# Allegro board BeagleBone_Black_RevB3_NO_LOGO.brd
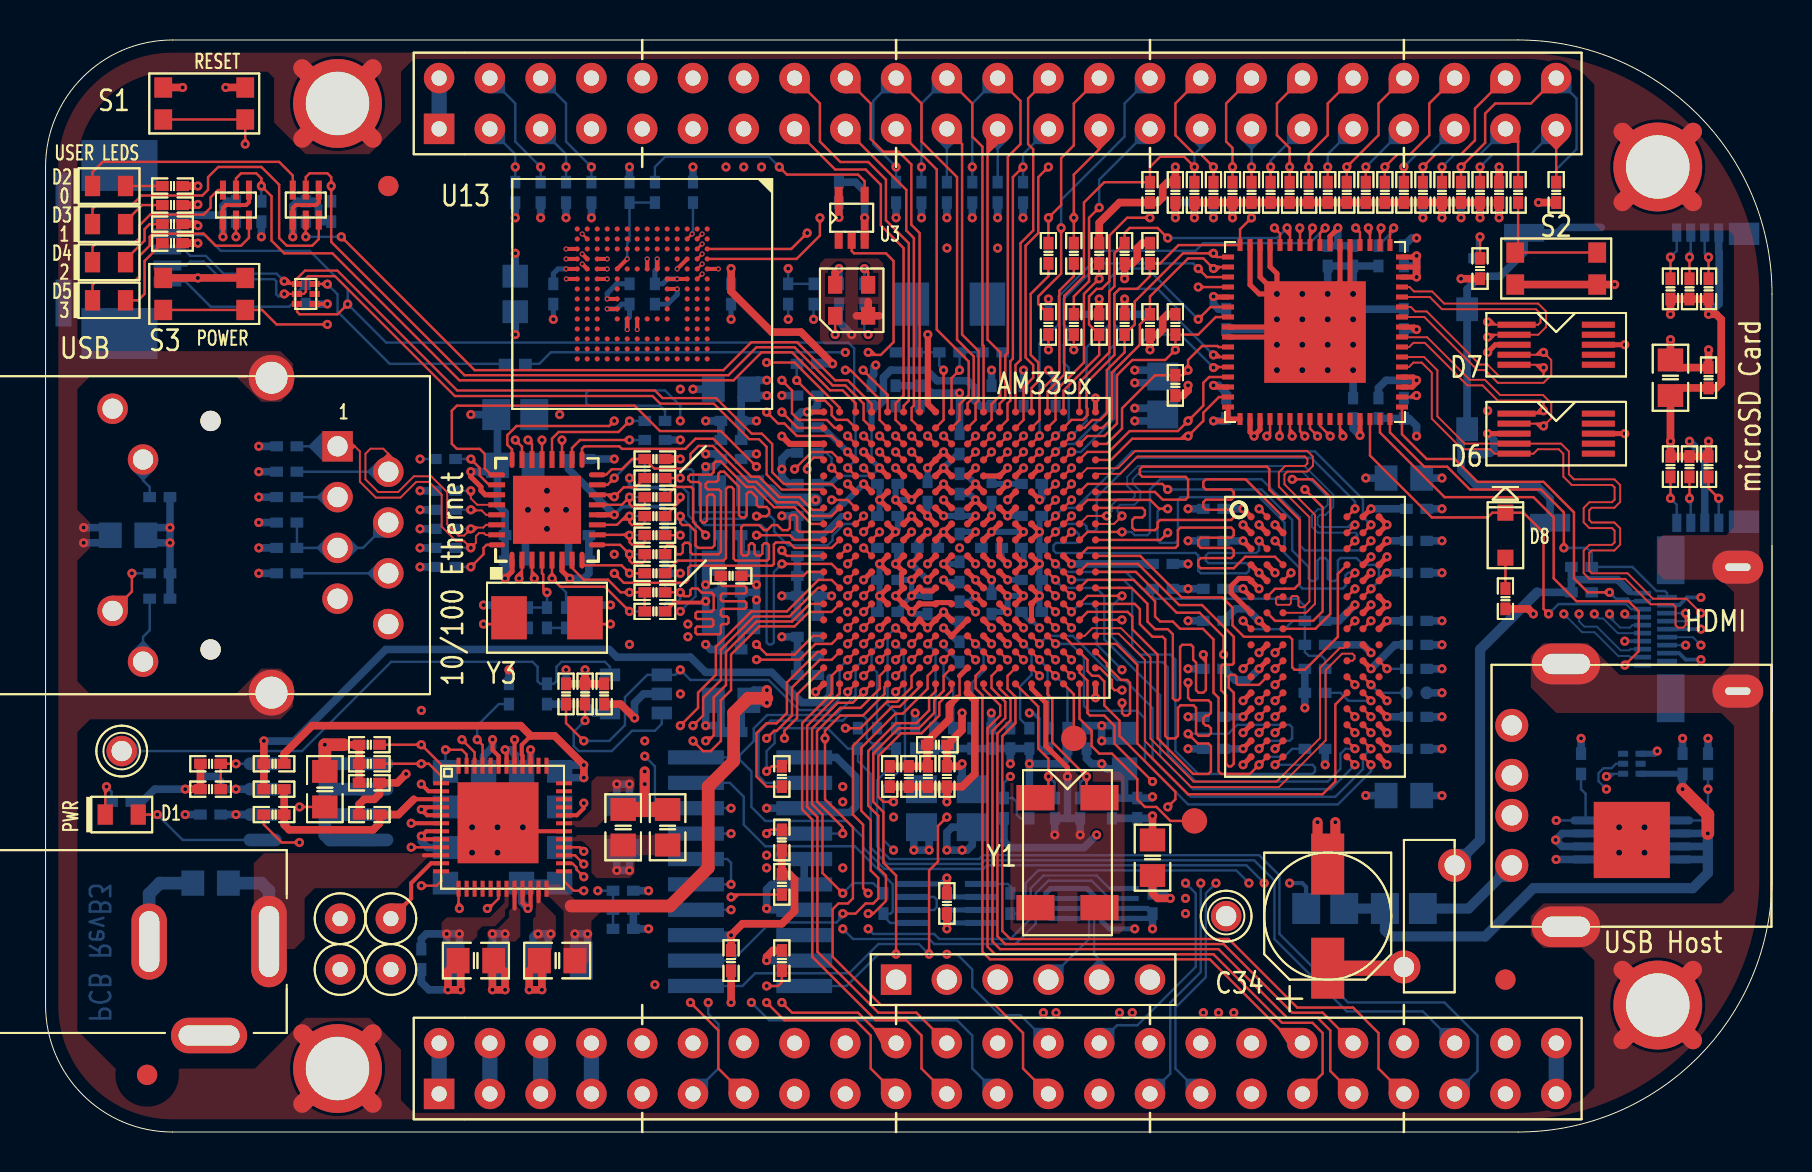
[diagram p0: board, top side]
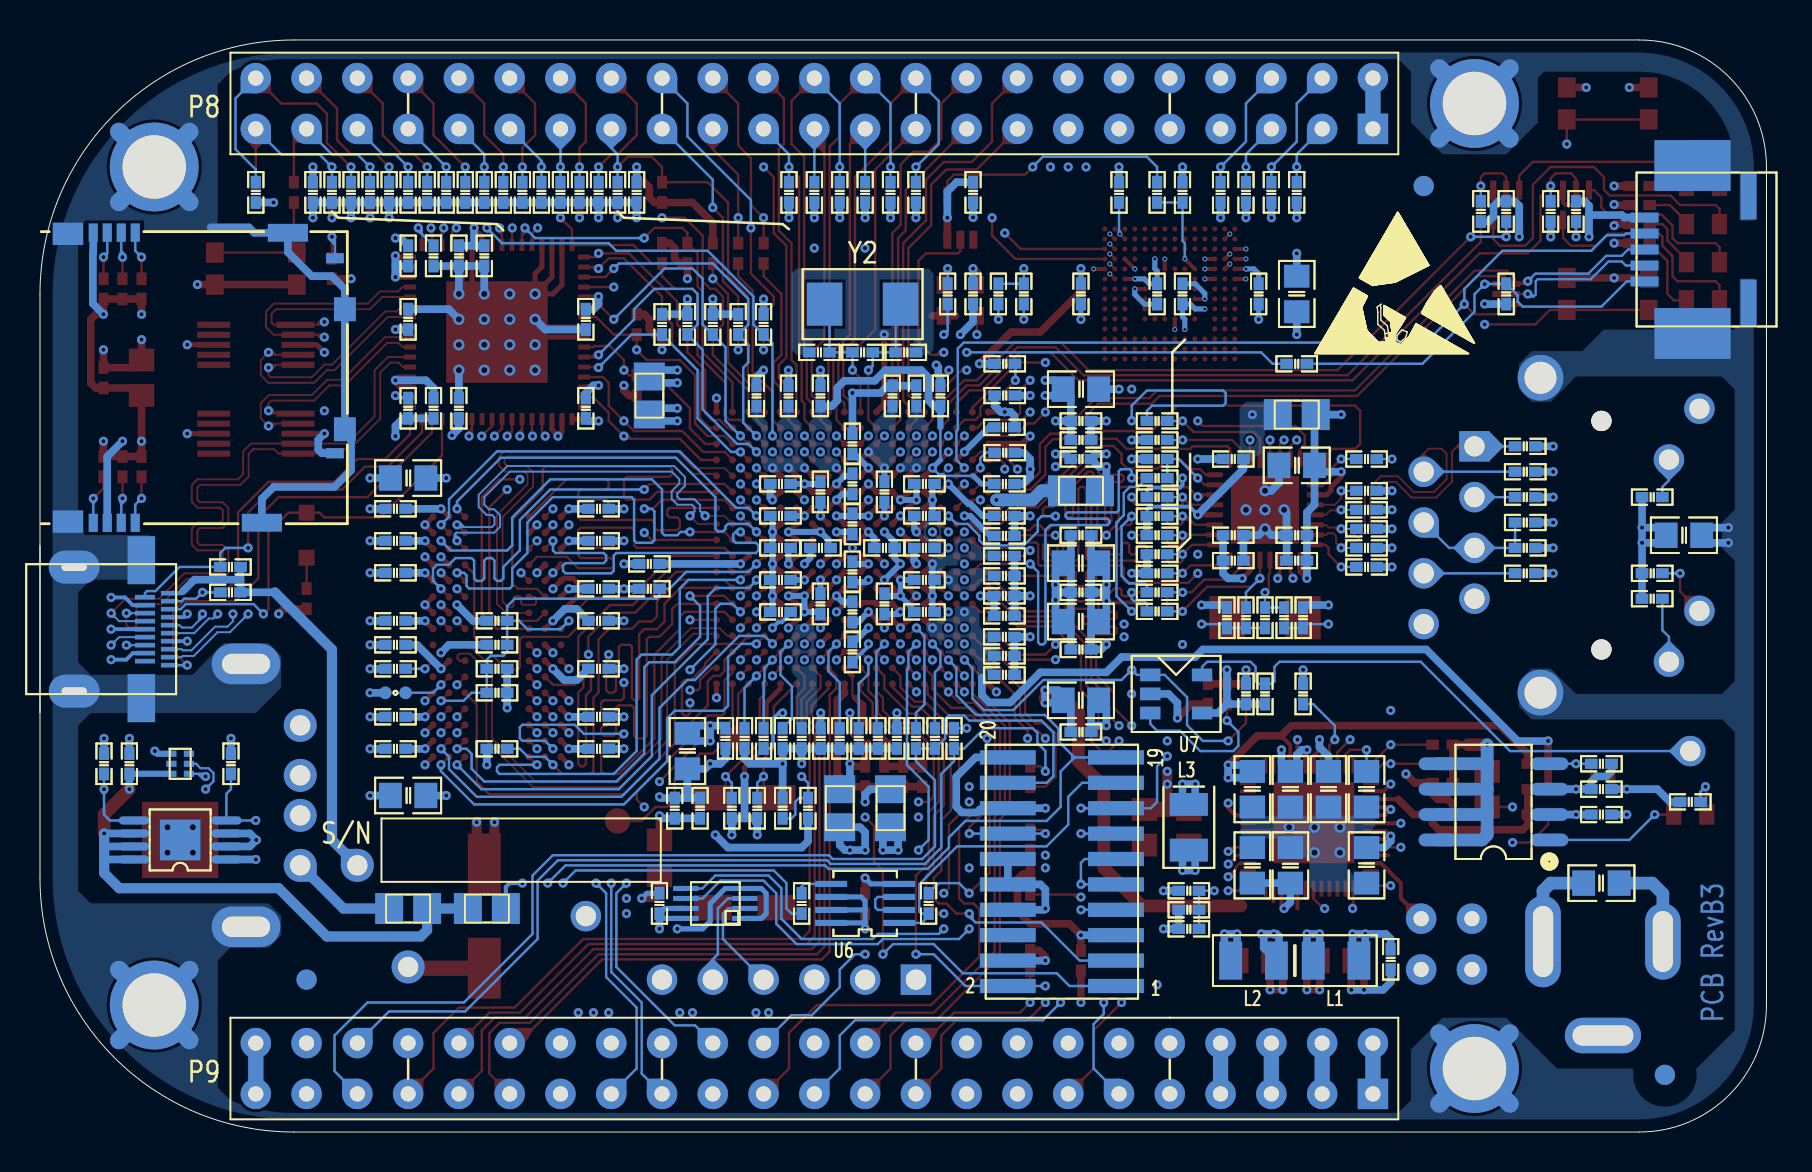
[diagram p1: board, bottom side, seen from below]

Outline 86.36 x 54.61 mm; copper layers: TOP, LYR2_GND, LYR3, LYR4, LYR5_PWR, BOTTOM. Coordinates in mm from the lower left corner of the outline.
Outline path: 0,48.26 0,6.35 arc(1.86,1.86) 6.35,0 73.66,0 arc(82.64,3.72) 86.36,12.7 86.36,41.91 arc(82.64,50.89) 73.66,54.61 6.35,54.61 arc(1.86,52.75) 0,48.26

## Design rules (mm)
net group HDMI_TX0: nets HDMI_TX0+ HDMI_TX0-
net group HDMI_TX1: nets HDMI_TX1+ HDMI_TX1-
net group HDMI_TX2: nets HDMI_TX2+ HDMI_TX2-
net group HDMI_TXC: nets HDMI_TXC+ HDMI_TXC-
net group RX: nets RXN RXP
net group TX: nets TXN TXP
net group USB0: nets USB0_DM USB0_DP
net group USB1: nets USB1_DM USB1_DP
net group CLK: nets MMC0_CLKO
net group DDR_ADD: nets DDR_A0 DDR_A1 DDR_A2 DDR_A3 DDR_A4 DDR_A5 DDR_A6 DDR_A7 DDR_A8 DDR_A9 DDR_A10 DDR_A11 DDR_A12 DDR_A13 DDR_A14 DDR_BA0 DDR_BA1 DDR_BA2 DDR_CASN DDR_CKE DDR_CLK DDR_CLKN DDR_CSN DDR_ODT DDR_RASN DDR_WEN
net group DDR_DQ0: nets DDR_D0 DDR_D1 DDR_D2 DDR_D3 DDR_D4 DDR_D5 DDR_D6 DDR_D7 DDR_DQM0 DDR_DQS0 DDR_DQSN0
net group DDR_DQ1: nets DDR_D8 DDR_D9 DDR_D10 DDR_D11 DDR_D12 DDR_D13 DDR_D14 DDR_D15 DDR_DQM1 DDR_DQS1 DDR_DQSN1
nets with their own width: min track width 0.203; nets USB1_VBUS

## Placement (name value [footprint] x y rotation side)
C1  10uF,10V  [805]  13.97 17.14 270 top
C2  10uF,10V  [805]  8.26 12.45 0 bottom
C3  0.1uf,6.3V  [402]  16.19 19.37 0 top
C4  10uF,10V  [805]  20 17.14 90 bottom
C7  10uF,10V  [805]  23.81 13.34 270 bottom
C8  10uF,10V  [805]  25.72 13.34 270 bottom
C9  10uF,10V  [805]  21.53 8.57 180 top
C10  10uF,10V  [805]  20 13.34 90 bottom
C11  10uF,10V  [805]  28.89 15.24 270 top
C12  10uF,10V  [805]  25.59 8.57 0 top
C13  10uF,10V  [805]  23.81 17.14 90 bottom
C14  10uF,10V  [805]  25.72 17.14 90 bottom
C15  10uF,10V  [805]  21.91 17.14 90 bottom
C16  2.2uF,6.3V  [402]  16.19 17.46 180 top
C17  2.2uF,6.3V  [402]  8.26 15.88 180 bottom
C18  2.2uF,6.3V  [402]  16.19 18.41 180 top
C19  470pF,6.3V  [402]  8.26 18.41 180 top
C20  0.1uf,6.3V  [402]  8.26 17.14 180 bottom
C21  18pF,50V  [402]  50.48 16.19 90 bottom
C22  18pF,50V  [402]  51.75 16.19 90 bottom
C24  1uF,10V  [402]  28.89 11.11 0 bottom
C25  18pF,50V  [402]  47.37 38.99 0 bottom
C26  18pF,50V  [402]  43.05 38.99 180 bottom
C27  0.1uf,6.3V  [402]  45.09 11.43 90 top
C28  0.1uf,6.3V  [402]  55.88 27.17 0 bottom
C29  0.1uf,6.3V  [402]  34.29 8.57 270 top
C30  0.1uf,6.3V  [402]  28.89 10.16 0 bottom
C31  0.1uf,6.3V  [402]  43.18 17.78 270 top
C32  0.001uf,50V  [402]  42.23 17.78 270 top
C33  0.1uf,6.3V  [402]  44.13 17.78 270 top
C34  100uF,6.3V  [RD205SMD_250D]  64.14 10.79 90 top
C35  0.1uf,6.3V  [402]  81.89 18.41 90 bottom
C36  0.1uf,6.3V  [402]  13.02 41.91 270 bottom
C37  0.1uf,6.3V  [402]  27.94 21.91 270 top
C38  0.1uf,6.3V  [402]  34.29 34.61 180 bottom
C39  10uF,10V  [805]  34.29 25.53 0 bottom
C40  10uF,10V  [805]  34.29 28.45 0 bottom
C41  0.1uf,6.3V  [402]  42.12 32.41 180 bottom
C42  0.1uf,6.3V  [402]  45.72 32.41 270 bottom
C43  0.1uf,6.3V  [402]  47.32 32.01 90 bottom
C44  0.1uf,6.3V  [402]  38.12 25.81 180 bottom
C45  0.1uf,6.3V  [402]  38.12 29.81 180 bottom
C46  0.1uf,6.3V  [402]  44.12 29.21 0 bottom
C47  0.1uf,6.3V  [402]  45.72 30.41 270 bottom
C48  0.1uf,6.3V  [402]  47.32 29.21 0 bottom
C49  0.1uf,6.3V  [402]  45.72 28.01 90 bottom
C50  0.1uf,6.3V  [402]  47.32 26.41 90 bottom
C51  0.1uf,6.3V  [402]  34.29 29.84 180 bottom
C52  0.1uf,6.3V  [402]  34.29 26.99 180 bottom
C53  0.1uf,6.3V  [402]  34.29 24.13 180 bottom
C54  0.1uf,6.3V  [402]  38.12 26.81 180 bottom
C55  10uF,10V  [805]  31.11 15.24 270 top
C56  0.1uf,6.3V  [402]  45.72 34.41 270 bottom
C57  0.1uf,6.3V  [402]  56.52 46.99 270 top
C58  0.1uf,6.3V  [402]  42.52 36.81 90 bottom
C59  0.1uf,6.3V  [402]  43.5 19.68 270 bottom
C60  0.1uf,6.3V  [402]  42.12 27.61 180 bottom
C61  0.1uf,6.3V  [402]  72.71 46.99 270 top
C62  10uF,10V  [805]  34.29 21.59 0 bottom
C63  0.1uf,6.3V  [402]  44.12 26.41 90 bottom
C64  0.1uf,6.3V  [402]  34.29 20 180 bottom
C65  0.1uf,6.3V  [402]  42.12 29.21 180 bottom
C66  0.1uf,6.3V  [402]  42.12 30.81 180 bottom
C67  0.1uf,6.3V  [402]  34.29 35.56 180 bottom
C68  0.1uf,6.3V  [402]  48.92 36.81 270 bottom
C69  0.1uf,6.3V  [402]  38.12 28.81 0 bottom
C70  0.1uf,6.3V  [402]  42.12 26.01 180 bottom
C71  0.1uf,6.3V  [402]  38.1 36.83 180 bottom
C72  0.1uf,6.3V  [402]  45.72 26.01 270 bottom
C73  0.1uf,6.3V  [402]  49.32 32.41 0 bottom
C74  0.1uf,6.3V  [402]  50.52 36.81 270 bottom
C75  0.1uf,6.3V  [402]  56.52 46.99 270 bottom
C76  0.1uf,6.3V  [402]  72.71 46.99 270 bottom
C77  10uF,10V  [805]  34.29 37.15 180 bottom
C78  0.1uf,6.3V  [402]  34.29 33.66 0 bottom
C79  0.1uf,6.3V  [402]  38.12 27.81 180 bottom
C80  0.1uf,6.3V  [402]  41.32 36.81 90 bottom
C81  0.1uf,6.3V  [402]  47.32 36.81 90 bottom
C82  0.1uf,6.3V  [402]  38.12 24.77 180 bottom
C83  0.1uf,6.3V  [402]  38.12 23.81 180 bottom
C84  0.1uf,6.3V  [402]  38.12 32.41 180 bottom
C85  0.1uf,6.3V  [402]  38.12 22.86 180 bottom
C86  0.1uf,6.3V  [402]  38.12 35.24 180 bottom
C87  0.1uf,6.3V  [402]  38.12 30.81 180 bottom
C88  0.1uf,6.3V  [402]  45.72 24.01 270 bottom
C89  1uF,10V  [402]  46.35 19.68 270 bottom
C90  1uF,10V  [402]  44.45 19.68 270 bottom
C91  1uF,10V  [402]  45.4 19.68 270 bottom
C92  0.1uf,6.3V  [402]  48.26 19.68 270 bottom
C93  0.1uf,6.3V  [402]  45.09 17.78 270 top
C94  0.1uf,6.3V  [402]  44.12 32.01 270 bottom
C95  10uF,10V  [805]  53.98 19.05 90 bottom
C96  10uF,10V  [805]  55.37 13.72 90 top
C97  0.1uf,6.3V  [402]  49.32 30.81 180 bottom
C98  0.1uf,6.3V  [402]  49.32 29.21 180 bottom
C99  0.1uf,6.3V  [402]  49.32 27.61 180 bottom
C100  0.1uf,6.3V  [402]  49.32 26.01 180 bottom
C101  0.1uf,6.3V  [402]  52.07 19.68 270 bottom
C102  0.1uf,6.3V  [402]  53.34 16.19 90 bottom
C103  0.1uf,6.3V  [402]  54.61 16.19 90 bottom
C104  1uF,10V  [402]  49.21 19.68 270 bottom
C105  0.1uf,6.3V  [402]  47.31 19.68 270 bottom
C106  0.1uf,6.3V  [402]  43.72 36.81 90 bottom
C107  0.1uf,6.3V  [402]  58.42 31.17 180 bottom
C108  0.1uf,6.3V  [402]  58.42 29.57 180 bottom
C109  0.1uf,6.3V  [402]  58.42 27.17 180 bottom
C110  0.1uf,6.3V  [402]  58.42 25.57 180 bottom
C111  0.1uf,6.3V  [402]  58.42 23.16 180 bottom
C112  0.1uf,6.3V  [402]  58.42 20.76 180 bottom
C113  0.1uf,6.3V  [402]  58.42 19.16 180 bottom
C114  0.1uf,6.3V  [402]  68.58 31.17 0 bottom
C115  0.1uf,6.3V  [402]  68.58 29.57 0 bottom
C116  0.1uf,6.3V  [402]  68.58 27.97 0 bottom
C117  0.1uf,6.3V  [402]  68.58 25.57 0 bottom
C118  10uF,10V  [805]  67.94 32.7 180 bottom
C119  0.1uf,6.3V  [402]  68.58 24.36 0 bottom
C120  0.1uf,6.3V  [402]  68.58 20.76 0 bottom
C121  0.1uf,6.3V  [402]  68.58 19.16 0 bottom
C122  10uF,10V  [805]  67.94 16.83 180 bottom
C123  0.001uf,50V  [402]  63.5 24.36 0 bottom
C124  0.1uf,6.3V  [402]  63.5 21.96 180 bottom
C125  2.2uF,6.3V  [402]  32.38 46.99 90 bottom
C126  10uF,10V  [805]  23.5 41.91 90 bottom
C127  0.1uf,6.3V  [402]  25.4 41.91 270 bottom
C128  0.1uf,6.3V  [402]  29.21 41.91 90 bottom
C129  0.1uf,6.3V  [402]  30.48 41.91 270 bottom
C130  0.1uf,6.3V  [402]  34.29 41.91 270 bottom
C131  0.1uf,6.3V  [402]  23.5 28.57 0 bottom
C132  0.1uf,6.3V  [402]  23.5 29.84 0 bottom
C133  10uF,10V  [805]  23.5 33.34 180 bottom
C134  1uF,10V  [402]  26.67 28.57 180 bottom
C135  0.1uf,6.3V  [402]  26.67 33.66 0 bottom
C136  470pF,6.3V  [0402]  26.67 29.84 180 bottom
C137  15pF,DNI  [402]  12.06 34.29 180 bottom
C138  15pF,DNI  [402]  12.06 33.02 180 bottom
C139  15pF,DNI  [402]  12.06 31.75 180 bottom
C140  15pF,DNI  [402]  12.06 27.94 180 bottom
C141  0.022uF,10V  [402]  12.06 30.48 180 bottom
C142  30pF,50V  [402]  23.18 25.72 90 bottom
C143  30pF,50V  [402]  26.99 25.72 90 bottom
C144  2.2uF,6.3V  [402]  59.05 40.64 270 bottom
C145  0.1uf,6.3V  [402]  59.05 36.2 270 bottom
C146  2.2uF,6.3V  [402]  64.14 43.81 270 bottom
C147  0.1uf,6.3V  [402]  65.41 36.2 90 bottom
C148  2.2uF,6.3V  [402]  65.41 43.81 270 bottom
C149  0.1uf,6.3V  [402]  67.94 43.81 90 bottom
C150  0.1uf,6.3V  [402]  67.94 40.64 90 bottom
C151  2.2uF,6.3V  [402]  66.67 36.2 270 bottom
C152  0.1uf,6.3V  [402]  26.04 21.91 90 bottom
C153  10uF,10V  [805]  81.28 37.72 90 top
C154  0.1uf,6.3V  [402]  83.19 37.72 90 top
C155  0.1uf,6.3V  [402]  55.37 11.43 270 bottom
C156  47pf,6.3V  [402]  55.24 43.94 90 top
C157  47pf,6.3V  [402]  53.98 40.39 90 top
C158  0.1uf,6.3V  [402]  39.69 46.99 90 bottom
C159  0.1uf,6.3V  [402]  39.69 41.91 270 bottom
C160  47pf,6.3V  [402]  55.24 40.39 270 top
C161  47pf,6.3V  [402]  51.44 40.39 90 bottom
C162  47pf,6.3V  [402]  52.7 40.39 90 bottom
C163  47pf,6.3V  [402]  56.52 40.39 90 top
C164  47pf,6.3V  [402]  50.16 40.39 90 bottom
C165  47pf,6.3V  [402]  55.24 46.99 270 top
C166  47pf,6.3V  [402]  52.7 40.39 90 top
C167  47pf,6.3V  [402]  53.98 43.94 270 top
C168  47pf,6.3V  [402]  52.7 43.94 90 top
C169  47pf,6.3V  [402]  56.52 37.34 270 top
C170  47pf,6.3V  [402]  53.98 40.39 90 bottom
C171  47pf,6.3V  [402]  75.56 46.99 270 bottom
C172  47pf,6.3V  [402]  55.24 40.39 90 bottom
C173  47pf,6.3V  [402]  75.56 46.99 270 top
D1  LTST-C191TBKT  [LED_0603]  3.81 15.88 0 top
D2  LTST-C191TBKT  [LED_0603]  3.17 47.31 0 top
D3  LTST-C191TBKT  [LED_0603]  3.17 45.4 0 top
D4  LTST-C191TBKT  [LED_0603]  3.17 43.5 0 top
D5  LTST-C191TBKT  [LED_0603]  3.17 41.59 0 top
D6  IP4283CZ10-TT  [TSSOP10]  75.56 34.92 270 top
D7  IP4283CZ10-TT  [TSSOP10]  75.56 39.37 270 top
D8  RB751V40,115  [SOD323]  73.03 29.84 90 top
FB1  150OHM800mA  [SM-7351-IND-0805]  34.29 32.07 0 bottom
FB2  150OHM800mA  [SM-7351-IND-0805]  46.35 16.19 270 bottom
FB3  150OHM800mA  [SM-7351-IND-0805]  43.81 16.19 270 bottom
FB4  150OHM800mA  [SM-7351-IND-0805]  23.5 35.88 180 bottom
FB5  150OHM800mA  [SM-7351-IND-0805]  55.88 36.83 270 bottom
FB7  150OHM800mA  [SM-7351-IND-0805]  67.94 11.18 0 bottom
FB8  150OHM800mA  [SM-7351-IND-0805]  64.01 11.18 0 bottom
J1  HEADER 6  [SIP6]  42.55 7.62 90 top
L1  LQM2HPN2R2MG0L  [2520]  21.53 8.57 180 bottom
L2  LQM2HPN2R2MG0L  [2520]  25.65 8.57 0 bottom
L3  LQM2HPN2R2MG0L  [2520]  28.89 15.24 270 bottom
MTG1  MHOLE  [MTGH200C125D_PL]  14.61 3.17 90 top
MTG2  MHOLE  [MTGH200C125D_PL]  80.64 6.35 90 top
MTG3  MHOLE  [MTGH200C125D_PL]  14.61 51.44 90 top
MTG4  MHOLE  [MTGH200C125D_PL]  80.64 48.26 90 top
NOREF  -  []  80.64 48.26 0 top
NOREF#2  -  []  85.72 39.05 0 top
NOREF#3  -  []  -368.3 -256.54 0 top
NOREF#4  -  []  85.72 28.57 0 top
NOREF#5  -  []  -34.92 -47.62 0 top
NOREF#6  -  []  -368.17 -256.47 0 top
NOREF#7  -  [unnamed#2]  73.03 7.62 270 top
NOREF#8  -  []  80.64 6.35 0 top
NOREF#9  -  []  14.61 3.17 0 top
NOREF#10  -  []  0 0 0 top
NOREF#11  -  []  319.53 -174.24 0 top
NOREF#12  -  []  0 -11.96 0 top
NOREF#13  -  []  86.36 39.69 0 top
NOREF#14  -  [unnamed#2]  17.14 47.31 270 top
NOREF#15  -  []  0 0 0 top
NOREF#16  -  []  86.36 12.7 0 top
NOREF#17  -  []  86.36 27.94 0 top
NOREF#18  -  []  14.61 51.44 0 top
NOREF#19  -  []  14.61 3.17 0 top
NOREF#20  -  []  80.64 6.35 0 top
NOREF#21  -  []  6.35 54.61 0 top
NOREF#22  -  [unnamed#2]  5.08 2.86 270 top
NOREF#23  -  []  81.92 52.07 0 top
NOREF#24  -  []  -11.96 0 90 top
NOREF#25  -  []  85.72 28.57 0 top
NOREF#26  -  [unnamed#2]  17.14 47.31 270 bottom
NOREF#27  -  [unnamed#2]  73.03 7.62 270 bottom
NOREF#28  -  []  1.91 53.34 180 bottom
NOREF#29  -  [unnamed#2]  5.08 2.86 270 bottom
P1  PJ-200A  [CONN3-PWR-PJ102A]  11.18 9.53 180 top
P2  CTI JTAG,DNI  [HEADER10X2_SMD]  35.24 13.02 90 bottom
P3  USB-A Conn. - 87520-xx1xx  [USB_A_SH]  73.34 13.34 90 top
P4  USB5MINI  [USB5MINI_4SHIELDED_SMD-5]  6.1 44.13 0 bottom
P5  WE_7499010211A  [RJ45-7499010211A]  14.61 34.29 270 top
P6  microHDMI  [CONN19_HDMI]  84.65 25.15 270 bottom
P8  FEMALE HEADER 2x23  [HEADER23X2]  19.68 50.16 0 top
P9  FEMALE HEADER 2x23  [HEADER23X2]  19.68 1.91 0 top
P10  SCHA5B0200  [SD-MICRO-SCHA5B0300]  81.6 37.72 270 bottom
Q1  DMC56404  [SMINI6-F3-B]  13.02 46.35 180 top
Q2  DMC56404  [SMINI6-F3-B]  9.53 46.35 180 top
R1  100K,1%  [402]  23.18 21.91 270 bottom
R3  1.5K,5%  [402]  26.04 21.91 270 top
R4  1.5K,5%  [402]  26.99 21.91 270 top
R5  0  [402]  16.19 15.88 180 top
R6  0  [402]  18.8 8.64 270 bottom
R7  0  [402]  11.43 15.88 180 top
R8  0  [402]  11.43 17.14 180 top
R9  0,DNI  [402]  11.43 18.41 0 top
R10  470K,1%  [402]  8.26 17.14 180 top
R11  280K,1%  [402]  8.26 18.41 0 bottom
R12  820,5%  [402]  3.81 16.51 180 bottom
R14  10K,1%  [402]  28.89 12.06 180 bottom
R17  1M,1%  [402]  45.21 38.99 180 bottom
R18  33  [0402]  41.91 11.43 270 bottom
R19  0,1%  [402]  41.59 19.68 270 bottom
R20  0,1%  [402]  42.55 19.68 90 bottom
R21  33  [0402]  48.26 11.43 270 bottom
R22  49.9,1%  [402]  55.88 28.41 180 bottom
R23  4.75K,1%  [402]  36.83 12.38 270 top
R24  4.75K,1%  [402]  36.83 14.61 90 top
R25  4.75K,1%  [402]  36.83 8.57 90 top
R26  4.75K,1%  [402]  50.16 19.68 90 bottom
R27  0,1%  [402]  44.61 19.37 180 top
R28  33  [0402]  34.29 27.81 180 top
R45  33  [0402]  50.16 43.94 90 top
R46  33  [0402]  51.44 43.94 90 top
R47  33  [0402]  51.44 40.39 90 top
R48  33  [0402]  50.16 40.39 90 top
R49  0,1%  [402]  38.1 33.97 0 bottom
R50  0,1%  [402]  36.83 17.78 270 top
R51  0,1%  [402]  40.64 19.68 90 bottom
R52  10K,1%  [402]  83.16 18.41 270 bottom
R53  10K,1%  [402]  76.81 18.41 90 bottom
R54  10K,1%  [402]  51.12 19.68 90 bottom
R55  100K,1%,DNI  [402]  58.42 46.99 90 bottom
R56  100K,1%  [402]  57.47 46.99 90 bottom
R57  100K,1%,DNI  [402]  60.33 46.99 90 bottom
R58  100K,1%,DNI  [402]  61.28 46.99 90 bottom
R59  100K,1%,DNI  [402]  59.37 46.99 90 bottom
R60  100K,1%,DNI  [402]  62.23 46.99 90 bottom
R61  100K,1%,DNI  [402]  63.18 46.99 90 bottom
R62  100K,1%,DNI  [402]  64.14 46.99 90 bottom
R63  100K,1%,DNI  [402]  65.09 46.99 90 bottom
R64  100K,1%,DNI  [402]  66.04 46.99 90 bottom
R65  100K,1%  [402]  66.99 46.99 90 bottom
R66  100K,1%  [402]  67.94 46.99 90 bottom
R67  100K,1%  [402]  68.9 46.99 90 bottom
R68  100K,1%  [402]  69.85 46.99 90 bottom
R69  100K,1%,DNI  [402]  70.8 46.99 90 bottom
R70  100K,1%,DNI  [402]  71.75 46.99 90 bottom
R71  820,5%  [402]  6.35 44.45 180 top
R72  820,5%  [402]  6.35 47.31 180 top
R73  820,5%  [402]  6.35 46.35 180 top
R74  820,5%  [402]  6.35 45.4 180 top
R75  100  [402]  73.66 46.99 270 top
R76  100K,1%  [402]  13.02 46.04 90 bottom
R77  100K,1%  [402]  14.29 46.04 270 bottom
R78  100K,1%  [402]  9.53 46.04 90 bottom
R79  100K,1%  [402]  10.79 46.04 270 bottom
R80  100K,1%  [402]  58.42 46.99 270 top
R81  100K,1%,DNI  [402]  57.47 46.99 270 top
R82  100K,1%  [402]  60.33 46.99 270 top
R83  100K,1%  [402]  61.28 46.99 270 top
R84  100K,1%  [402]  59.37 46.99 270 top
R85  100K,1%  [402]  62.23 46.99 270 top
R86  100K,1%  [402]  63.18 46.99 270 top
R87  100K,1%  [402]  64.14 46.99 270 top
R88  100K,1%  [402]  65.09 46.99 270 top
R89  100K,1%  [402]  66.04 46.99 270 top
R90  100K,1%,DNI  [402]  66.99 46.99 270 top
R91  100K,1%,DNI  [402]  67.94 46.99 270 top
R92  100K,1%,DNI  [402]  68.9 46.99 270 top
R93  100K,1%,DNI  [402]  69.85 46.99 270 top
R94  100K,1%  [402]  70.8 46.99 270 top
R95  100K,1%  [402]  71.75 46.99 270 top
R96  10K,1%  [402]  68.58 23.16 180 bottom
R97  1.5K,1%  [402]  63.5 19.16 180 bottom
R98  10K,1%  [402]  63.5 25.57 180 bottom
R99  240E  [SM-7351-RES-0402]  68.58 21.96 180 bottom
R100  10K,1%  [402]  63.5 23.16 180 bottom
R101  10K,1%  [402]  48.9 46.99 90 bottom
R102  10K,1%  [402]  46.35 46.99 90 bottom
R103  10K,1%  [402]  26.04 46.99 90 bottom
R104  10K,1%  [402]  27.3 46.99 90 bottom
R105  10K,1%  [402]  47.62 46.99 90 bottom
R106  10K,1%  [402]  43.81 46.99 90 bottom
R107  10K,1%  [402]  23.5 46.99 90 bottom
R108  10K,1%  [402]  24.77 46.99 90 bottom
R109  10K,1%  [402]  42.55 46.99 90 bottom
R110  10K,1%  [402]  45.09 46.99 90 bottom
R111  10K,1%  [402]  29.21 46.99 270 bottom
R112  1.5K,1%  [402]  30.48 30.8 0 bottom
R113  1.5K,1%  [402]  30.48 33.66 0 bottom
R114  1.5K,1%  [402]  30.48 29.84 0 bottom
R115  10K,1%  [402]  30.48 31.75 0 bottom
R116  10K,1%  [402]  30.48 27.94 0 bottom
R117  10K,1%  [402]  30.48 28.89 0 bottom
R118  10K,1%  [402]  30.48 26.04 0 top
R119  1.5K,5%  [402]  30.48 33.66 180 top
R120  49.9,1%  [402]  20 29.21 180 bottom
R121  49.9,1%  [402]  20 30.16 180 bottom
R122  49.9,1%  [402]  20 31.11 180 bottom
R123  49.9,1%  [402]  20 32.07 180 bottom
R124  10,1%,DNI  [402]  30.48 26.99 180 top
R125  100,1%  [402]  30.48 27.94 180 top
R126  100,1%  [402]  30.48 28.89 180 top
R127  100,1%  [402]  30.48 29.84 180 top
R128  100,1%  [402]  30.48 30.8 180 top
R129  100,1%  [402]  20 33.66 0 bottom
R130  470,5%  [402]  5.71 27.94 180 bottom
R131  100,1%  [402]  30.48 26.99 180 bottom
R132  470,5%  [402]  5.71 31.75 180 bottom
R133  100,1%  [402]  30.48 31.75 180 top
R134  100,1%  [402]  30.48 35.56 180 bottom
R135  10K,1%  [402]  5.71 26.67 0 bottom
R136  .1,0805  [805]  4.13 29.84 180 bottom
R137  0,1%  [402]  12.06 29.21 180 bottom
R138  100,1%  [402]  30.48 32.7 180 bottom
R139  100,1%  [402]  30.48 32.7 180 top
R140  0,1%,DNI  [402]  30.48 26.04 180 bottom
R141  1M,1%,DNI  [402]  25.08 25.72 270 bottom
R142  0,1%  [402]  26.04 25.72 90 bottom
R143  10,1%  [402]  24.13 25.72 270 bottom
R144  12.1K,1%  [402]  20 28.26 180 bottom
R145  10K,1%  [402]  30.48 34.61 0 bottom
R146  1.5K,5%  [402]  76.83 26.99 0 bottom
R147  1.5K,5%  [402]  76.83 28.26 0 bottom
R148  10K,1%  [402]  67.94 36.2 270 bottom
R149  0,1%  [402]  66.67 43.81 270 bottom
R150  10K,1%  [402]  81.28 42.16 90 top
R151  10K,1%  [402]  83.19 42.16 90 top
R152  10K,1%  [402]  83.19 33.27 270 top
R153  10K,1%  [402]  82.23 33.27 270 top
R154  10K,1%  [402]  81.28 33.27 270 top
R155  10K,1%  [402]  82.23 42.16 90 top
R156  10K,1%  [402]  25.08 21.91 90 bottom
R157  10K,1%  [402]  71.75 43.18 270 top
R158  10K,1%  [402]  38.1 38.42 180 bottom
R159  0,1%  [402]  23.5 38.42 0 bottom
R160  0,1%  [402]  38.42 41.91 90 bottom
R161  0,1%  [402]  37.15 41.91 90 bottom
R162  0,1%  [402]  30.48 46.99 270 bottom
R163  4.75K,1%  [402]  47.94 16.19 90 bottom
R164  4.75K,1%  [402]  49.21 16.19 90 bottom
R166  27K,1%  [402]  73.03 26.67 270 top
R167  33  [0402]  40.96 41.91 270 bottom
RT1  PTC_RXEF010  [POLYSW200-5638-310]  70.48 13.34 90 top
S1  KMR231GLFS  [SW4SMD_63X161LS]  7.94 51.44 180 top
S2  KMR231GLFS  [SW4SMD_63X161LS]  75.56 43.18 180 top
S3  KMR231GLFS  [SW4SMD_63X161LS]  7.94 41.91 180 top
TP1  TESTPT1  [TP1-8040]  59.05 10.79 0 top
TP2  TESTPT1  [TP60C_SMD]  57.47 15.56 0 top
TP3  TESTPT1  [TP60C_SMD]  51.44 19.68 0 top
TP4  TESTPT1  [TP1-8040]  3.81 19.05 0 top
TP5  TESTPT1  [TP60C33D]  14.73 10.67 0 top
TP6  TESTPT1  [TP60C33D]  14.73 8.13 0 top
TP7  TESTPT1  [TP60C33D]  17.27 10.67 0 top
TP8  TESTPT1  [TP60C33D]  17.27 8.13 0 top
U2  TPS65217C  [U_48_RSL]  22.86 15.24 0 top
U3  SN74LVC1G06DCK  [DCK5_2P15X1P4]  40.32 45.72 0 top
U4  TL5209  [SO8-25X75]  13.65 16.51 90 bottom
U5  AM3358_ZCZ_ES1.0  [AM33XX_15X15]  45.72 29.21 180 top
U6  SN74AUC1G74  [SOP8_DCT]  45.09 11.43 90 bottom
U7  24LC32A  [SOT23-5]  29.53 21.91 270 bottom
U8  TPS2051 (DGN)  [DGN-16X60]  79.35 14.61 90 bottom
U9  TPD4S012  [U_6_DRY]  79.35 18.41 90 bottom
U10  TPD4S012  [U_6_DRY]  13.02 41.91 270 top
U11  TDA19988  [QFN64S9X9P5]  63.5 40.01 0 top
U12  MT41K256M16HA -125:E  [BGA96_T9_P8_9X14]  63.5 24.77 0 top
U13  MEM_MNAND_2GB  [BGA153_P14_P5_11P5X13]  29.84 41.91 270 top
U14  LAN8710A  [QFN32_5X5MM_EP3P3MM]  25.08 31.11 0 top
U15  SN74LVC2G241  [U_8_DCU]  52.58 11.43 90 bottom
Y1  32.768KHz MC-306  [XTAL4_126-216SMD]  51.12 13.97 270 top
Y2  24MHz  [XTAL150SMD_125X196]  45.21 41.4 0 bottom
Y3  25.000MHz  [XTAL150SMD_125X196]  25.08 25.72 180 top
Y4  24.576MHZ  [OSC4_61X65LS_79X98SMD]  40.32 41.59 0 top
